# Altium PCB Arduino Board.PcbDoc
Units mil, origin at the board's own origin, x right, y up, seen from the top; angles counter-clockwise.
Board outline 2700 x 2100 mil, 2 copper layers (Top Layer, Bottom Layer); 32 components, 43 nets, 174 pads, 81 vias.
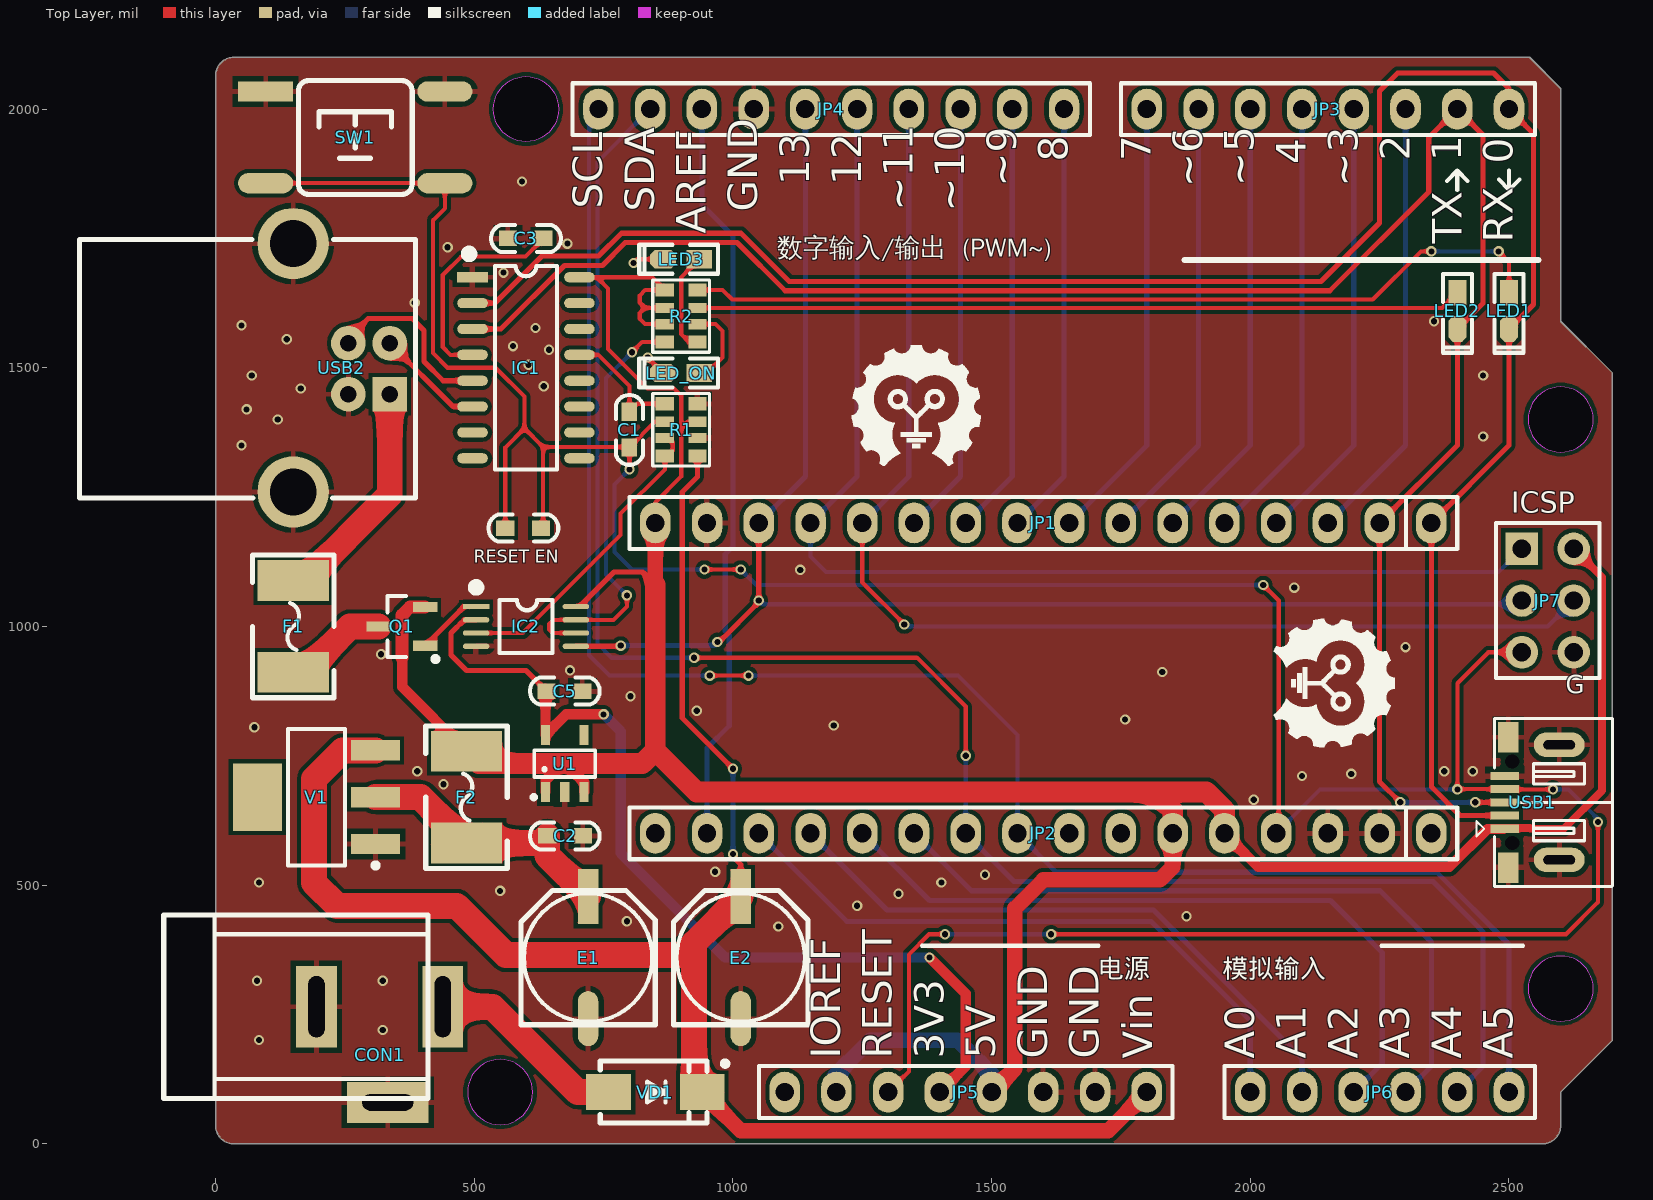
[diagram p0: Top Layer view]
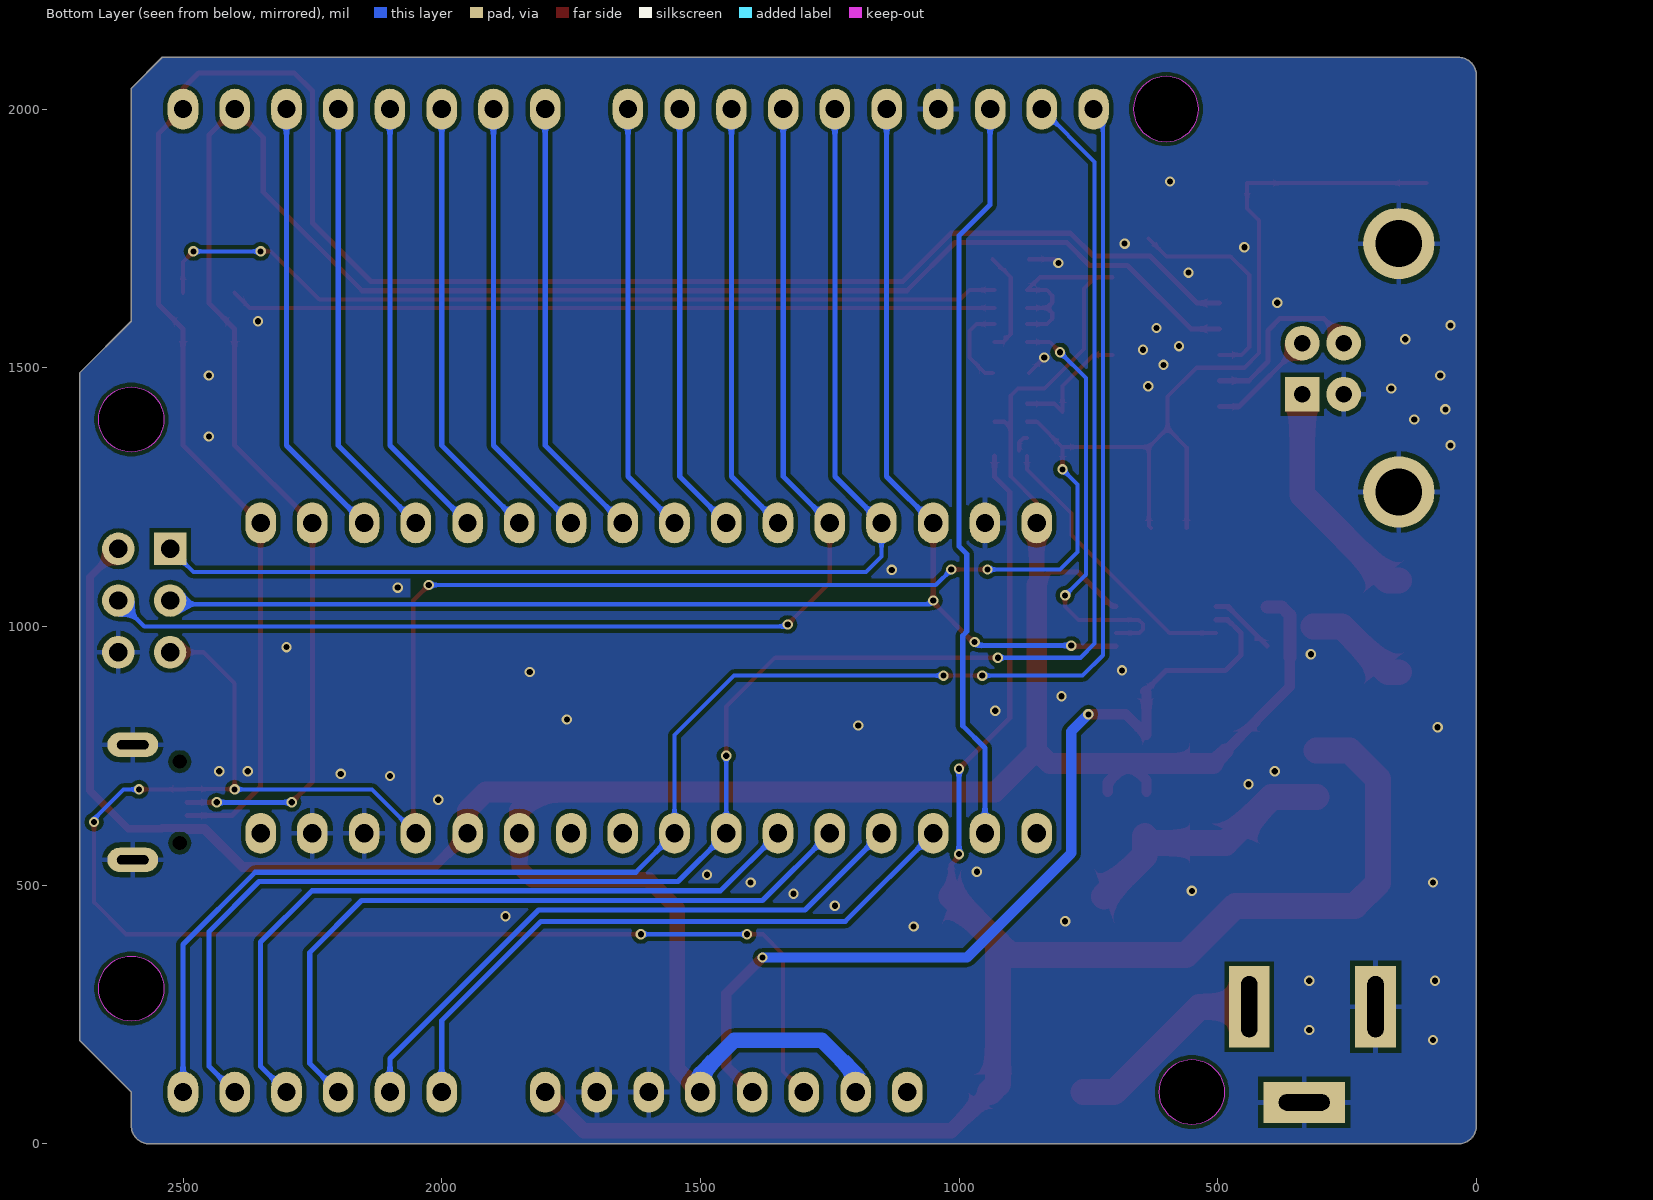
[diagram p1: Bottom Layer view, seen from below]

## Layer stack, top to bottom
Top Solder: solder mask 0.4, Solder Resist, Dk 3.5
Top Layer: signal copper 1.4
Dielectric 1: dielectric 12.6, FR-4, Dk 4.8
Bottom Layer: signal copper 1.4
Bottom Solder: solder mask 0.4, Solder Resist, Dk 3.5

## Board outline
0,35 0,2065 cw(c35,2065) 35,2100 2540,2100 2600,2040 2600,1590 2700,1490 2700,200 2600,100 2600,35 cw(c2565,35) 2565,0 35,0 cw(c35,35)
cut-out: 600,1937.01 cw(c600,2000) 537.01,2000 cw(c600,2000) 600,2062.99 cw(c600,2000) 662.99,2000 cw(c600,2000)
cut-out: 2537.01,1400 ccw(c2600,1400) 2600,1337.01 ccw(c2600,1400) 2662.99,1400 ccw(c2600,1400) 2600,1462.99 ccw(c2600,1400)
cut-out: 2537.01,300 ccw(c2600,300) 2600,237.01 ccw(c2600,300) 2662.99,300 ccw(c2600,300) 2600,362.99 ccw(c2600,300)
cut-out: 487.01,100 ccw(c550,100) 550,37.01 ccw(c550,100) 612.99,100 ccw(c550,100) 550,162.99 ccw(c550,100)

## Design rules (kind name [scope] priority, off if disabled: settings)
Clearance [All] p1: gap=8 ignorepadtopadclearanceinfootprint=FALSE except(0: Arc-Hole Track-Hole SMDPad-Hole THPad-Hole Via-Hole Fill-Hole Poly-Hole Region-Hole Text-Hole)
PlaneConnect [All] p1: pad.planeconnectstyle=Relief pad.reliefexpansion=20 pad.reliefentries=4 pad.reliefconductorwidth=10 pad.reliefairgap=10 via.planeconnectstyle=Direct via.reliefexpansion=20 via.reliefentries=4 via.reliefconductorwidth=10 via.reliefairgap=10
PolygonConnect [All] p1: thpad.connectstyle=Relief thpad.reliefconductorwidth=10 thpad.reliefentries=4 thpad.polygonreliefangle="90 Angle" thpad.airgapwidth=10 smdpad.connectstyle=Relief smdpad.reliefconductorwidth=10 smdpad.reliefentries=4 smdpad.polygonreliefangle="90 Angle" smdpad.airgapwidth=10 via.connectstyle=Direct via.reliefconductorwidth=10 via.reliefentries=4 via.polygonreliefangle="90 Angle" via.airgapwidth=10
RoutingVias [All] p1: holewidth=12 width=20 viastyle="Through Hole" minholewidth=12 minwidth=20 maxholewidth=28 maxwidth=50
SolderMaskExpansion [All] p1: expansion=4
Width [All] p1: maxlimit=100 minlimit=6 preferedwidth=6
29 further rules are at their usual default settings.

## Components (designator, comment, footprint, x,y, rotation, side; value= is the part's Value field where it differs from the comment)
C1 "104" "C 0603" 800,1380 r270 top
C2 "104" "C 0603" 675,595 r180 top
C3 "104" "C 0603" 600,1750 r0 top
C5 "104" "C 0603" 675,875 r0 top
CON1 "3.5*1.3" DC-005 195,265 r180 top locked
E1 "47uF/25V" "CM D(6.3*5.4)" 720,360 r90 top locked
E2 "47uF/25V" "CM D(6.3*5.4)" 1015,360 r90 top locked
F1 "MSMD200-8V 1A" "FU 1812" 150,1000 r270 top locked
F2 "MSMD200-8V 1A" "FU 1812" 485,670 r90 top
IC1 "CH340C" SOP16_L 600,1500 r0 top
IC2 "LM358" MSOP8_L 600,1000 r270 top
JP1 "HDR-1X16" HDR-1X16_M 2350,1200 r180 top locked
JP2 "HDR-1X16" HDR-1X16_M 2350,600 r180 top locked
JP3 "HDR-1X8" HDR-1X8_M 1800,2000 r0 top locked
JP4 "HDR-1X10" HDR-1X10_M 740,2000 r0 top locked
JP5 "HDR-1X8" HDR-1X8_M 1100,100 r0 top locked
JP6 "HDR-1X6" HDR-1X6_M 2000,100 r0 top locked
JP7 "Header3X2" HDR-3X2 2525,1150 r270 top
LED1 "绿色" "LED 0603B" 2500,1610 r270 top
LED2 "绿色" "LED 0603B" 2400,1610 r270 top
LED3 "黄色" "LED 0603B" 900,1710 r180 top
LED_ON "绿色" "LED 0603B" 900,1490 r180 top
Q1 "DN340P" SOT23-3N 360,1000 r90 top locked
R1 "103" RCA-8P4R-0603 900,1380 r90 top
R2 "102" RCA-8P4R-0603 900,1600 r270 top locked
"RESET EN" "104" "C 0603" 595,1190 r0 top
SW1 "6x6x5" "TSW SMD-6*6*4.3" 270,1945 r0 top
U1 "LP2985-33DBVR" SOT23-5L 675,735 r0 top
USB1 "USB-5P" USB-MICRO_D 2596.9,660 r90 top
USB2 "USB" USB-B/S_A 256.69,1498.21 r270 top locked
V1 "AMS1117-5V" SOT223_N 195,670 r180 top
VD1 "M7" SMA 850,100 r0 top locked

## Footprints (in the part's own frame and the unit in brackets; to place one, negate y for a bottom-side part, rotate by r counter-clockwise, add the part's x,y. Pads: shape width x height; smd on the part's side, far side on the other; paste and mask are expansions set on the pad)
"C 0603" [mil] "无极性贴片电容"
  rect 35x30 smd: 1(-35,0) 2(34,0)
  silkscreen extent -67,-26 67,26, body extent -31,-16 31,16, height 32
"CM D(6.3*5.4)" [mm] "贴片电解电容，直径6.3mm，高5.4mm"
  rect 2.7x1 smd: 1(3,0)
  oval 2.7x1 smd: 2(-3,0)
  silkscreen extent -3.3,-3.3 3.3,3.3, body extent -3.5,-3.3 3.5,3.3, height 5.4
DC-005 [mm] "5.5*2.1mm，DC30V,2.5A"
  rect 2x4 hole 0.8 slot 3 at 90 deg: 1(-6.2,0) 2(0,0)
  rect 4x2 hole 0.8 slot 2.5 at 0 deg: 3(-3.5,4.7)
  silkscreen extent -5.48,-4.5 7.5,4.5, body extent -6.55,-4.5 7.5,4.8, height 11.2
"FU 1812" [mm] "贴片保险丝"
  rect 2x3.5 smd: 1(-2.25,0) 2(2.25,0)
  silkscreen extent -3.5,-2 3.5,2, body extent -2.3,-1.61 2.3,1.61, height 0.87
HDR-1X6_M [mm] "排母，6脚"
  oval 1.5x2 hole 0.9: 1(0,0) 2(2.54,0) 3(5.08,0) 4(7.62,0) 5(10.16,0) 6(12.7,0)
  silkscreen extent -1.27,-1.27 13.97,1.27, body extent -1.27,-1.27 13.97,1.27, height 8.5
HDR-1X8_M [mm] "排母，8脚"
  oval 1.5x2 hole 0.9: 1(0,0) 2(2.54,0) 3(5.08,0) 4(7.62,0) 5(10.16,0) 6(12.7,0) 7(15.24,0) 8(17.78,0)
  silkscreen extent -1.27,-1.27 19.05,1.27, body extent -1.27,-1.27 19.05,1.27, height 8.5
HDR-1X10_M [mm] "排母，10脚"
  oval 1.5x2 hole 0.9: 1(0,0) 2(2.54,0) 3(5.08,0) 4(7.62,0) 5(10.16,0) 6(12.7,0) 7(15.24,0) 8(17.78,0) 9(20.32,0) 10(22.86,0)
  silkscreen extent -1.27,-1.27 24.13,1.27, body extent -1.27,-1.27 24.13,1.27, height 8.5
HDR-1X16_M [mm] "排母，16脚"
  oval 1.5x2 hole 0.9: 1(0,0) 2(2.54,0) 3(5.08,0) 4(7.62,0) 5(10.16,0) 6(12.7,0) 7(15.24,0) 8(17.78,0) 9(20.32,0) 10(22.86,0) 11(25.4,0) 12(27.94,0) 13(30.48,0) 14(33.02,0) 15(35.56,0) 16(38.1,0)
  silkscreen extent -1.27,-1.27 39.37,1.27, body extent -1.27,-1.27 39.37,1.27, height 8.5
HDR-3X2 [mm] "双排排针，3x2脚"
  rect 1.6x1.6 hole 0.9: 1(0,0)
  round 1.6 hole 0.9: 2(0,2.54) 3(2.54,0) 4(2.54,2.54) 5(5.08,0) 6(5.08,2.54)
  silkscreen extent -1.27,-1.27 6.35,3.81, body extent -1.27,-1.27 6.35,3.81, height 8.5
"LED 0603B" [mil] "蓝色0603LED"
  rect 50x35 smd: 1(-35,0.26)
  oct 50x35 smd: 2(35,0.26)
  silkscreen extent -71,-28 81,28, body extent -31,-16 32,16, height 24
MSOP8_L [mm] "塑封体长3mm，宽3mm，脚距0.65"
  rect 0.26x1.3 smd: 1(-0.975,-2.45)
  oval 0.26x1.3 smd: 2(-0.325,-2.45) 3(0.325,-2.45) 4(0.975,-2.45) 5(0.975,2.45) 6(0.325,2.45) 7(-0.325,2.45) 8(-0.975,2.45)
  silkscreen extent -2.07,-2.6 1.3,1.3, body extent -1.5,-2.45 1.5,2.45, height 0.95
RCA-8P4R-0603 [mm] "3.2mm*1.6mm*0.6mm(长*宽*厚)"
  rect 0.65x0.9 smd: 1(-1.28,-0.8) 4(1.28,-0.8) 5(1.28,0.8) 8(-1.28,0.8)
  rect 0.5x0.9 smd: 2(-0.4,-0.8) 3(0.4,-0.8) 6(0.4,0.8) 7(-0.4,0.8)
  silkscreen extent -1.78,-1.4 1.78,1.4, body extent -1.6,-0.8 1.6,0.8, height 0.6
SMA [mm] "4.5x2.6*2.2mm（长宽高，不包括引脚）"
  rect 2.2x1.75 smd: 1(-2.3,0) 2(2.3,0)
  silkscreen extent -2.7,-1.52 3.56,1.52, body extent -2.53,-1.3 2.58,1.3, height 2.15
SOP16_L [mm] "10.3*6.2*1.8mm（长宽高）"
  rect 1.5x0.5 smd: 1(-2.625,4.445)
  oval 1.5x0.5 smd: 2(-2.625,3.175) 3(-2.625,1.905) 4(-2.625,0.635) 5(-2.625,-0.635) 6(-2.625,-1.905) 7(-2.625,-3.175) 8(-2.625,-4.445) 9(2.625,-4.445) 10(2.625,-3.175) 11(2.625,-1.905) 12(2.625,-0.635) 13(2.625,0.635) 14(2.625,1.905) 15(2.625,3.175) 16(2.625,4.445)
  silkscreen extent -2.95,-5 1.52,5.74, body extent -3,-5 3,5, height 1.9
SOT23-3N [mm] "3x1.3x1mm(长宽高)"
  rect 0.5x1.2 smd: 1(-0.95,-1.143) 2(0.95,-1.143) 3(0,1.143)
  silkscreen extent -1.72,-1.78 1.5,0.7, body extent -1.5,-1.2 1.5,1.2, height 1.05
SOT23-5L [mm] "3x1.6x1.1mm(长宽高)"
  rect 0.45x1 smd: 1(-0.95,-1.4) 2(0,-1.4) 3(0.95,-1.4) 4(0.95,1.4) 5(-0.95,1.4)
  silkscreen extent -1.6,-1.73 1.5,0.66, body extent -1.5,-1.4 1.5,1.4, height 1.15
SOT223_N [mm] "SOT223, 4-Leads, Body 6.5x3.5mm, Pitch 2.3mm, Lead Span 7mm, IPC Medium Density"
  rect 2.4x1 smd: 1(-2.9,2.3) 2(-2.9,0) 3(-2.9,-2.3)
  rect 2.4x3.3 smd: 4(2.9,0)
  silkscreen extent -3.03,-3.35 1.4,3.47, body extent -1.85,-3.35 1.85,3.35, height 1.7
"TSW SMD-6*6*4.3" [mm] "6*6*4.3mm"
  rect 2.7x1 smd: 1(-4.4,2.261)
  oval 2.7x1 smd: 2(-4.4,-2.239) 3(4.4,-2.239) 4(4.4,2.261)
  silkscreen extent -2.79,-2.79 2.79,2.79, body extent -4.5,-3 4.5,3, height 4.25
USB-B/S_A [mm] "b型USB 母座 16.3*13.7*11mm"
  rect 1.7x1.7 hole 0.8: 1(1.25,2.032)
  round 1.7 hole 0.8: 2(-1.25,2.032) 3(-1.25,0) 4(1.25,0)
  round 3.5 hole 2.3: 4(-6.141,-2.71) 4(6.051,-2.71)
  silkscreen extent -6.35,-13.21 6.35,3.3, body extent -6.86,-13.16 6.86,3.14, height 11.45
USB-MICRO_D [mm] "micro型USB ，5.9*8.2*2.5mm"
  round 0.6 hole 0.7 unplated: 0(-2,2.294) 0(2,2.294)
  rect 0.4x1.4 smd: 1(-1.295,2.667) 2(-0.648,2.667) 3(0,2.667) 4(0.648,2.667) 5(1.295,2.667)
  rect 1.5x1 smd: 5(-3.2,2.5) 5(3.2,2.5)
  oval 1.2x2.5 hole 0.45 slot 1.55 at 90 deg: 5(-2.825,-0.006) 5(2.825,-0.006)
  silkscreen extent -4.14,-2.63 4.11,4.06, body extent -4,-2.72 4,2.88, height 2.8

## Part data
C1 C2 C3 C5 "RESET EN": library part C, "无极性贴片电容"
CON1: library part P-DC, "低压电源接口"
E1 E2: library part C-CM, "贴片电解电容"
F1 F2: library part FU, "贴片保险丝"
IC1: library part CH340G, "串口转USB"
IC2: "双路运放"
JP1 JP2: library part "Header 16", "16P接插件"
JP3 JP5: library part "Header 8", "8P接插件"
JP4: library part "Header 10", "10P接插件"
JP6: library part "Header 6", "6P接插件"
JP7: library part "Header 3X2", "3*2P接插件"
LED1 LED2 LED3 LED_ON: library part LED-SMD, "贴片LED"
Q1: library part SI2301, "P沟道场效应管"
R1 R2: library part R-8P4R, "贴片网络排阻"
SW1: library part "TSW SMD-6x6", "贴片6x6轻触开关"
U1: library part LP2985-XXDBVR33
USB1: "微型USB母座"
USB2: library part USB-B/S, "USB-B型母接口", BOM名称=US
V1: library part AMS1117, "三端稳压芯片"
VD1: "整流二极管"

## Via types
v1: diameter 20, hole 12, Top Layer to Bottom Layer, 81 vias

## Nets (pads, with @x,y where several pads share a name; then routed paths per layer and width w, separated by ;. In a path a pad name is that pad's centre, name@x,y a point inside that pad or via, vN(x,y) a via of type N, cw(c..) or ccw(c..) an arc to the next point about the centre after c; other vN are vias at no path point)
3V3: C5.1 IC2.2 JP5.4 U1.5 | length 1802.2
  Top Layer w10: IC2.2 480.65,1012.8 455,987.14 455,945 485,915 600,915 C5.1
  Top Layer w20: C5.1 637.6,872.6 U1.5 677.48,830 v1(750,830) ; v1(1380,360) 1450,290 1450,150 JP5.4
  Bottom Layer w20: v1(750,830) 783,797 783,562 985,360 v1(1380,360)
A0: JP2.14 JP6.1 | length 1238.1
  Bottom Layer w10: JP2.14 1220,430 1808.2,430 2000,238.2 JP6.1
A1: JP2.13 JP6.2 | length 1195.2
  Bottom Layer w10: JP2.13 1298,452 1813,452 2100,165 JP6.2
A2: JP2.12 JP6.3 | length 1393.1
  Bottom Layer w10: JP2.12 1380,470 2155,470 2255,370 2255,155 JP6.3
A3: JP2.11 JP6.4 | length 1397.7
  Bottom Layer w10: JP2.11 1461,489 2251,489 2350,390 2350,150 JP6.4
A4: JP2.10 JP4.2 JP6.5 | length 3492.9
  Top Layer w8: v1(925,939.45) 925.17,939.61 974.11,939.61 ; 974.5,940 974.11,939.61 ; v1(1450,750) 1450,845 1355.39,939.61 974.11,939.61
  Bottom Layer w8: JP4.2 738,1898 738,967 765.55,939.45 v1(925,939.45) ; JP2.10 v1(1450,750)
  Bottom Layer w10: JP2.10 1543,507 2353,507 2450,410 2450,150 JP6.5
A5: JP2.9 JP4.1 JP6.6 | length 3469.4
  Top Layer w8: v1(955,905) v1(1030,905)
  Bottom Layer w8: JP4.1 722,1982 722,944.26 761.26,905 v1(955,905) ; v1(1030,905) 1435,905 1550,790 JP2.9
  Bottom Layer w10: JP2.9 1625,525 2360.46,525 2500,385.46 JP6.6
A6: JP2.8
A7: JP2.7
AREF: JP2.15 JP4.3 | length 1452.2
  Bottom Layer w10: JP4.3 940,1815 1000,1755 1000,1155 985,1140 985,990 993,982 993,808 950,765 JP2.15
D0: IC1.2 JP1.1 JP3.8 LED1.2 USB1.2 | length 4043.6
  Top Layer w10: IC1.2 540,1625 630.84,1715.84 740.39,1715.84 784.54,1760 1015.46,1760 1108.71,1666.75 2136.75,1666.75 2250,1780 2250,2035 2285,2070 2470,2070 2500,2040 JP3.8 2547.62,1952.38 2547.62,1622.36 LED1.2 2500.26,1350.26 JP1.1 2350,690 2405.51,634.49 USB1.2@2492.28,634.49
D1: IC1.3 JP1.2 JP3.7 LED2.2 USB1.3 | length 3880.6
  Top Layer w10: IC1.3 551.36,1575 674.2,1697.84 747.84,1697.84 792,1742 1008,1742 1101.25,1648.75 2153.75,1648.75 2345,1840 2345,1945 JP3.7 2450,1950 2450,1624.74 LED2.2 2400.26,1350.26 JP1.2 2250,700 v1(2290,660) ; v1(2435,660) USB1.3@2492.27,660
  Bottom Layer w10: v1(2290,660) v1(2435,660)
D2: JP1.3 JP3.6 | length 862.1
  Bottom Layer w10: JP1.3 2300,1350 JP3.6
D3: JP1.4 JP3.5 | length 862.1
  Bottom Layer w10: JP1.4 2200,1350 JP3.5
D4: JP1.5 JP3.4 | length 862.1
  Bottom Layer w10: JP1.5 2100,1350 JP3.4
D5: JP1.6 JP3.3 | length 862.1
  Bottom Layer w10: JP1.6 2000,1350 JP3.3
D6: JP1.7 JP3.2 | length 862.1
  Bottom Layer w10: JP1.7 1900,1350 JP3.2
D7: JP1.8 JP3.1 | length 862.1
  Bottom Layer w10: JP1.8 1800,1350 JP3.1
D8: JP1.9 JP4.10 | length 837.3
  Bottom Layer w10: JP1.9 1640,1290 JP4.10
D9: JP1.10 JP4.9 | length 837.3
  Bottom Layer w10: JP1.10 1540,1290 JP4.9
D10: JP1.11 JP4.8 | length 837.3
  Bottom Layer w10: JP1.11 1440,1290 JP4.8
D11: JP1.12 JP4.7 JP7.4 | length 2383.2
  Top Layer w8: JP1.12 1250,1085 v1(1331.25,1003.75)
  Bottom Layer w8: v1(1331.25,1003.75) 1335,1000 2575,1000 JP7.4
  Bottom Layer w10: JP1.12 1340,1290 JP4.7
D12: JP1.13 JP4.6 JP7.1 | length 2308.3
  Bottom Layer w8: JP1.13 1150,1135 1180,1105 2480,1105 JP7.1
  Bottom Layer w10: JP1.13 1240,1290 JP4.6
D13: IC2.5 JP1.14 JP4.5 JP7.3 | length 2860.2
  Top Layer w10: IC2.5 781.61,961.61 v1(783,963) ; v1(970,970) 973.39,970 1050,1046.61 v1(1050,1050) JP1.14
  Bottom Layer w8: v1(1050,1050) 1057,1043 2518,1043 JP7.3
  Bottom Layer w10: v1(783,963) 963,963 v1(970,970) ; JP1.14 1140,1290 JP4.5
D+: IC1.5 USB2.3 | length 349.9
  Top Layer w10: USB2.3 256.69,1556.69 295,1595 380,1595 403,1572 403,1512 440,1475 IC1.5
D-: IC1.6 USB2.2 | length 210.7
  Top Layer w10: USB2.2 459.12,1425 IC1.6
DTR: C1.1 IC1.13 R1.5 | length 246.4
  Top Layer w8: IC1.13 740,1525 800,1465 C1.1 815.39,1430.39 R1.5
GND: C2.1 C3.1 C5.2 CON1.2 CON1.3 E1.2 E2.2 IC1.1 IC2.4 JP1.15 JP2.2 JP2.3 JP4.4 JP5.6 JP5.7 JP7.6 LED3.2 LED_ON.2 R1.2 R1.4 SW1.1 SW1.4 U1.2 USB1.5 USB2.4 V1.1 | length 102.7
  Top Layer w8: v1(807.98,1702.59) 815.13,1709.74 LED3.2 ; v1(835.26,1519.74) 835,1519.74 LED_ON.2
  other v1: 84.08,200.68 323.28,220 80,315 323.28,315 1087.85,420 795,430 1876.76,440 1240,460 1320,483.25 550,488.83 84.08,505 1402.98,505 1487.3,520 965.54,526.03 2006.65,665 440.5,695 2100,711 2195,715 390,720.06 2375,720.06 2430,720 75,805 1195,808.48 1758,820 930.12,837.02 802.02,865 1830,912.02 685,915 320,946.2 2300,960 2085,1075 1130,1109.38 50,1350 2450,1367.04 120,1400 60,1419.61 164.53,1460 634.37,1464.24 70,1485 2450,1485 605,1505.6 644.35,1535 575,1541.81 137.46,1555 618.37,1577 50,1581.96 2355,1590 384.87,1625.75 556.43,1683.94 448.54,1732.87 680,1740 592.2,1860
L13: IC2.6 IC2.7 R2.4 | length 830
  Top Layer w8: IC2.6 651.72,987.2 644.54,994.39 644.54,1004.54 652.8,1012.8 IC2.7 769.41,1012.8 795,1038.39 v1(795,1060) ; v1(805,1530) 824.61,1549.61 R2.4
  Bottom Layer w8: v1(795,1060) 755,1100 755,1480 v1(805,1530)
MCU_RESET: "RESET EN.1" "RESET EN.2" C1.2 JP2.4 JP5.3 JP7.5 R1.6 SW1.2 SW1.3 USB1.4 | length 6474.4
  Top Layer w8: SW1.2 SW1.3 443.23,1808.23 420,1785 420,1528.54 448.54,1500 541.2,1500 596.9,1444.31 596.9,1383.1 ; 560,1190 560,1346.2 596.9,1383.1 ; 629,1190 633.16,1194.16 633.16,1346.84 ; v1(800,1303.5) C1.2 ; R1.6 849.75,1395.75 C1.2 ; v1(945,1110) v1(1015,1110) ; JP5.3 1340,140 1340,366.11 1378.89,405 v1(1410,405) ; v1(1615,405) 2610,405 2672,467 v1(2672,622) ; v1(2025,1080) 2055,1050 2055,605 JP2.4 ; JP7.5 2460,950 2400.26,890.26 v1(2400.26,685) 2400.75,685.49 2492.28,685.49 2492.77,685 v1(2585,685) ; 596.9,1383.1 633.16,1346.84 ; 633.16,1346.84 799.16,1346.84 C1.2
  Bottom Layer w8: v1(800,1303.5) 771,1274.5 771,1144 805,1110 v1(945,1110) ; v1(1015,1110) 1045,1080 v1(2025,1080) ; v1(1410,405) v1(1615,405) ; JP2.4 2135,685 v1(2400.26,685) ; v1(2585,685) 2615,685 2672,628 v1(2672,622)
NetC2_2: C2.2 E1.1 F2.1 V1.2 | length 523.8
  Top Layer w50: V1.2 396.42,670 F2.1 627.42,581.42 C2.2 641,557.11 E1.1
NetC3_2: C3.2 IC1.4 | length 427.1
  Top Layer w8: IC1.4 454.09,1525 439.09,1540 439.09,1679.09 475,1715 599,1715 C3.2
NetCON1_1: CON1.1 VD1.1 | length 388.7
  Top Layer w50: CON1.1 535,265 700,100 VD1.1
NetF1_1: F1.1 USB2.1 | length 450.1
  Top Layer w50: F1.1 171.08,1088.58 336.69,1254.19 USB2.1
NetIC2_1: IC2.1 Q1.1 | length 129.9
  Top Layer w10: Q1.1 480.79,1038.39 IC2.1
NetIC2_3: IC2.3 R1.7 R1.8 | length 581.3
  Top Layer w8: IC2.3 593.66,987.2 783,1176.54 783,1218 868.5,1303.5 R1.8 ; R1.7 875.75,1364.25 884,1356 R1.8@884,1340
NetLED1_1: LED1.1 R2.8 | length 1683.2
  Top Layer w8: R2.8 980,1650.39 998.65,1631.75 2236.75,1631.75 2330,1725 v1(2350,1725) ; v1(2480,1725) 2500.26,1704.74 LED1.1
  Bottom Layer w8: v1(2350,1725) v1(2480,1725)
NetLED2_1: LED2.1 R2.7 | length 1480.9
  Top Layer w8: R2.7 2371.01,1615.75 LED2.1
NetLED3_1: LED3.1 R2.5 | length 197.1
  Top Layer w8: R2.5 915.39,1549.61 900,1565 900,1674.75 LED3.1
NetLED_ON_1: LED_ON.1 R2.6 | length 162.4
  Top Layer w8: R2.6 966.5,1584.25 980,1570.75 980,1520 949.74,1489.74 LED_ON.1
USBVCC: F1.2 Q1.3 | length 201.7
  Top Layer w50: F1.2 171.42,911.42 260,1000 Q1.3
VCC: F2.2 IC1.16 IC2.8 JP1.16 JP2.5 JP2.6 JP5.2 JP5.5 JP7.2 Q1.2 R1.3 R2.1 R2.2 R2.3 U1.1 U1.3 USB1.1 | length 6318.4
  Top Layer w8: IC1.16 736.75,1675 ; JP1.16 850,1240 900,1290 900,1383.1 ; R2.3 830.35,1584.25 820,1594.61 820,1605.75 830,1615.75 ; R2.2 830,1615.75 ; R1.3 912.65,1395.75 900,1383.1 ; 736.75,1675 843.9,1675 R2.1 830.39,1650.39 820,1640 820,1625.75 830,1615.75 ; 736.75,1675 758.39,1653.36 758.39,1536.22 834.61,1460 886.38,1460 900,1446.38 900,1383.1
  Top Layer w10: IC2.8 703.6,1038.39 770.21,1105 825,1105 850,1080
  Top Layer w15: USB1.1 2493.44,610.54 2540.26,610.54 2541.8,609 2606,609 2680,683 2680,1095 JP7.2
  Top Layer w20: 360.55,939.45 360.55,883.03 F2.2 ; U1.1 637.6,702.6 670,735 676.46,735 712.4,699.05 U1.3 ; JP2.5 2015,535 2385,535 2458.63,608.63 USB1.1@2488.99,608.63
  Top Layer w25: 360.55,939.45 360.55,1022.17 375.78,1037.4 Q1.2
  Top Layer w30: F2.2 F2.2@508.58,735 ; 850,1080 JP1.16 ; JP5.5 1545,145 1545,455 1600,510 1825,510 1850,535 JP2.6
  Top Layer w40: F2.2@508.58,735 670,735 ; 676.46,735 825,735 850,760 ; 850,1080 850,760 ; JP2.6 1850,645 1815.12,679.88 ; JP2.5 1950,645 1915.12,679.88 1815.12,679.88 ; 850,760 930.12,679.88 1815.12,679.88
  Bottom Layer w30: JP5.2 1200,135 1265,200 1435,200 1500,135 JP5.5
Vin: E2.1 JP5.8 R1.1 V1.3 VD1.2 | length 3398.7
  Top Layer w10: R1.1 931.5,1289.5 902,1260 902,823 v1(1000,725) ; v1(1000,560) 1000,555 1015,540 E2.1
  Top Layer w30: VD1.2 1015.55,25 1725,25 JP5.8
  Top Layer w50: V1.3 245.55,760.55 190,705 190,505 235,460 325,460 465.88,460 560.88,365 901.89,365 925,388.11 ; VD1.2 925,115.55 925,388.11 ; E2.1 925,388.11
  Bottom Layer w10: v1(1000,560) v1(1000,725)
pads on no net: IC1.7 IC1.8 IC1.9 IC1.10 IC1.11 IC1.12 IC1.14 IC1.15 JP2.1 JP2.16 JP5.1 U1.4 USB1.0 V1.4

## Polygon pours and split planes (outlines as drawn)
GND on Top Layer "GND_L01_P000" (solid, remove dead copper, pour order 0): 0,35 0,2065 cw(c35,2065) 35,2100 2540,2100 2600,2040 2600,1590 2700,1490 2700,200 2600,100 2600,35 cw(c2565,35) 2565,0 35,0 cw(c35,35)
GND on Bottom Layer "GND_L02_P001" (solid, remove dead copper, pour order 1): 0,35 0,2065 cw(c35,2065) 35,2100 2540,2100 2600,2040 2600,1590 2700,1490 2700,200 2600,100 2600,35 cw(c2565,35) 2565,0 35,0 cw(c35,35)

## Other copper
Bottom Layer:
  pour cut-out: 2060,1097.24 2060,1048.63 2017.72,1048.63 1995,1071.35 1995,1097.24

## Silkscreen, mask and mechanical layers (free items; w line width, h text height)
Top Overlay:
  drawing of 2787 lines, arcs and shapes, not listed
  text "2" at 2327.24,1899.65 h98.43 r90
  text "7" at 1826.78,1899.01 h98.43 r90
  text "1" at 2426.97,1899.01 h98.43 r90
  text "8" at 1666.78,1898.47 h98.43 r90
  text "0" at 2526.78,1894.46 h98.43 r90
  text "4" at 2126.78,1893.46 h98.43 r90
  text "13" at 1166.83,1852.92 h98.43 r90
  text "12" at 1267.24,1853.1 h98.43 r90
  text "~5" at 2026.37,1850.73 h98.43 r90
  text "~9" at 1567.24,1850.09 h98.43 r90
  text "~3" at 2226.83,1850.18 h98.43 r90
  text "~6" at 1926.33,1849 h98.43 r90
  text "SCL" at 766.78,1806.91 h98.43 r90
  text "~11" at 1366.97,1803.91 h98.43 r90
  text "SDA" at 866.78,1801.9 h98.43 r90
  text "GND" at 1066.78,1801.81 h98.43 r90
  text "~10" at 1466.78,1801.81 h98.43 r90
  text "AREF" at 966.78,1758.63 h98.43 r90
  text "RX" at 2527,1742 h98.43 r90
  text "TX" at 2428,1740 h98.43 r90
  text "数字输入/输出  (PWM~)" at 1086,1702.2 h62.99
  text "G" at 2610,858.82 h59.06
  text "电源" at 1706.36,307.95 h62.99
  text "模拟输入" at 1946,307.95 h62.99
  text "IOREF" at 1226.78,164 h98.43 r90
  text "RESET" at 1326.78,164 h98.43 r90
  text "3V3" at 1426.83,164 h98.43 r90
  text "5V" at 1526.37,164 h98.43 r90
  text "GND" at 1626.78,164 h98.43 r90
  text "GND" at 1726.78,164 h98.43 r90
  text "Vin" at 1829.84,164 h98.43 r90
  text "A0" at 2026.78,164 h98.43 r90
  text "A1" at 2126.97,164 h98.43 r90
  text "A2" at 2227.24,164 h98.43 r90
  text "A3" at 2326.83,164 h98.43 r90
  text "A4" at 2426.78,164 h98.43 r90
  text "A5" at 2526.37,164 h98.43 r90
Mechanical 1:
  circle w10: c550,100 r62.99
  circle w10: c2600,300 r62.99
  circle w10: c2600,1400 r62.99
  circle w10: c600,2000 r62.99
  lines w3.94: 0,35 ccw(c35,35) 35,0 2565,0 ccw(c2565,35) 2600,35 2600,100 2700,200 2700,1490 2600,1590 2600,2040 2540,2100 35,2100 ccw(c35,2065) 0,2065 0,35

## Text inside footprints (layer, text, board x,y; h text height)
JP7: Top Overlay "ICSP" at 2504.84,1220 h40